# Altium PCB ThreeCharge.PcbDoc
Units mil, origin at the board's own origin, x right, y up, seen from the top; angles counter-clockwise.
Board outline 3947.04 x 3155.03 mil, 2 copper layers (Top Layer, Bottom Layer); 90 components, 64 nets, 258 pads, 56 vias.
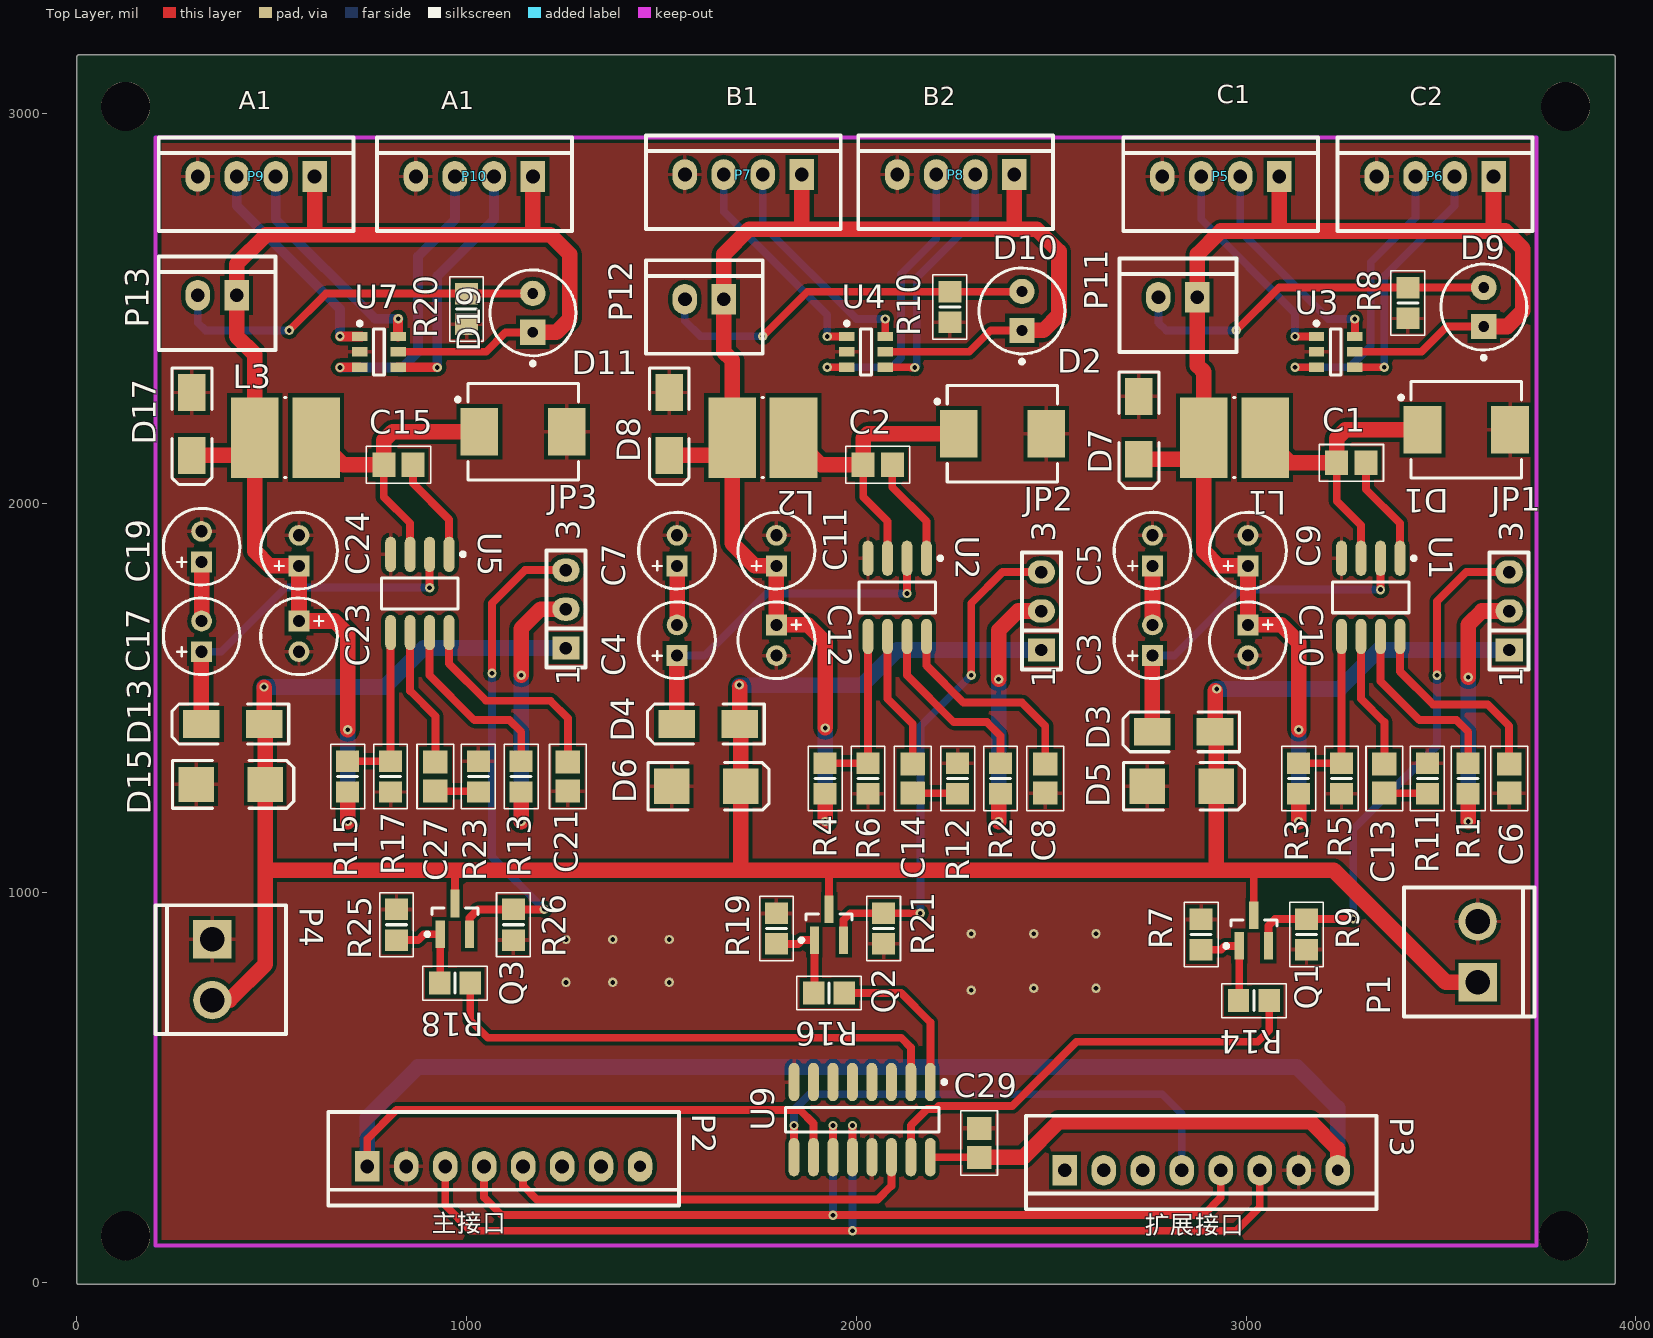
[diagram p0: Top Layer view]
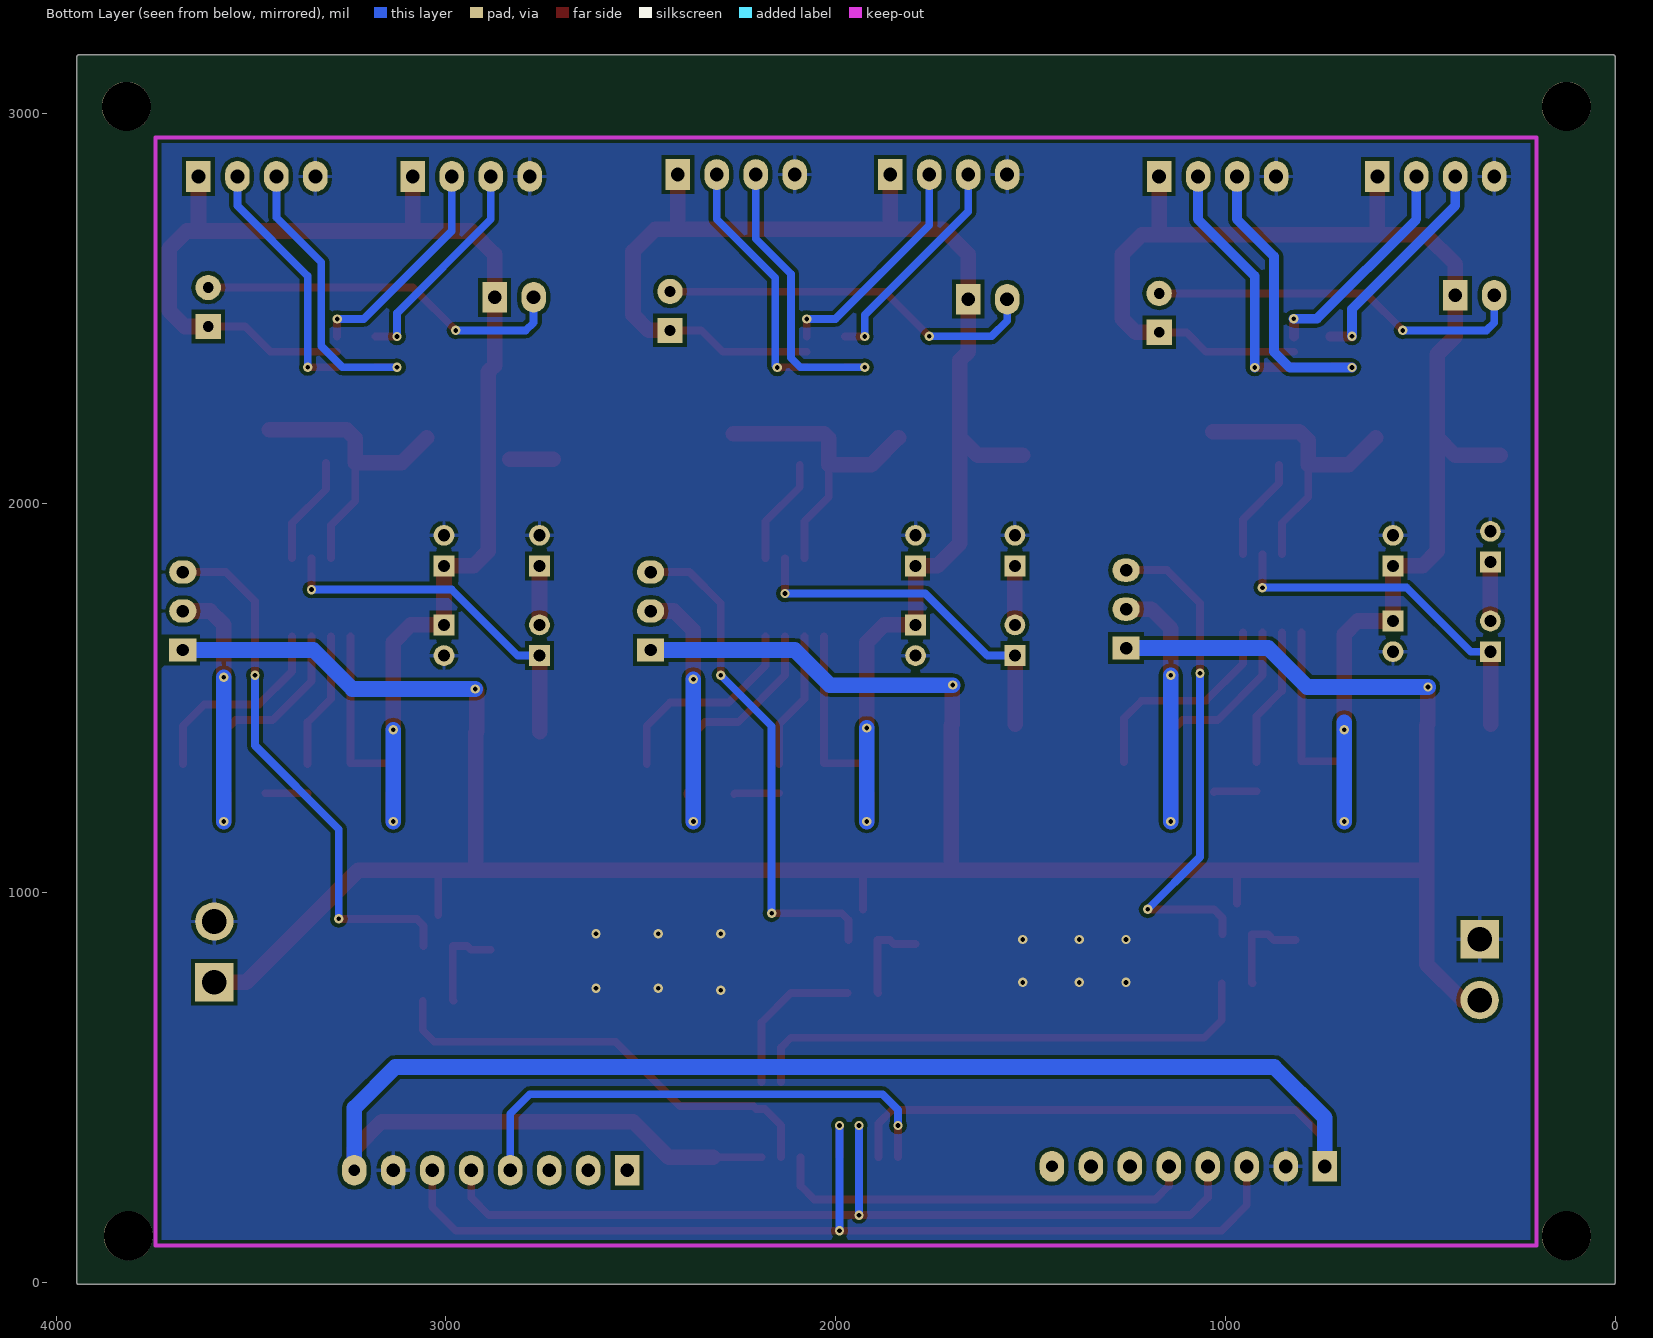
[diagram p1: Bottom Layer view, seen from below]

## Layer stack, top to bottom
Top Solder: solder mask 0.4, Solder Resist, Dk 3.5
Top Layer: signal copper 1.4
Dielectric 1: dielectric 12.6, FR-4, Dk 4.8
Bottom Layer: signal copper 1.4
Bottom Solder: solder mask 0.4, Solder Resist, Dk 3.5

## Board outline
0,0 0,3142.99 cw(c5.02,3142.99) 0.1,3143.99 0.1,3144 cw(c5.02,3145) 5.02,3150.01 3942.02,3150.01 cw(c3942.02,3145) 3947.04,3145 cw(c3942.02,3145) 3946.94,3143.99 3946.94,3144 cw(c3942.02,3142.99) 3947.04,3142.99 3947.04,0 cw(c3942.02,0) 3942.02,-5.02 5.02,-5.02 cw(c5.02,0)

## Design rules (kind name [scope] priority, off if disabled: settings)
Clearance [All] p1: gap=10
PolygonConnect [All] p1: connectstyle=Relief reliefconductorwidth=10 reliefentries=4 polygonreliefangle="90 Angle" airgapwidth=10
RoutingVias [All] p1: holewidth=28 width=50 viastyle="Through Hole" minholewidth=28 minwidth=50 maxholewidth=28 maxwidth=50
SolderMaskExpansion [All] p1: expansion=4
Width [All] p1: maxlimit=50 minlimit=10 preferedwidth=10
29 further rules are at their usual default settings.

## Components (designator, comment, footprint, x,y, rotation, side; value= is the part's Value field where it differs from the comment)
C1 "0.01uF" CAPC2012M 3270.02,2102.99 r0 top
C2 "0.01uF" CAPC2012M 2055.02,2097.99 r0 top
C3 "47uF" CAPPR2-5x11.5 2760.02,1647.99 r90 top
C4 "47uF" CAPPR2-5x11.5 1540.02,1647.99 r90 top
C5 "47uF" CAPPR2-5x11.5 2760.02,1877.99 r90 top
C6 "0.1uF" CAPC2012M 3675.02,1292.99 r90 top
C7 "47uF" CAPPR2-5x11.5 1540.02,1877.99 r90 top
C8 "0.1uF" CAPC2012M 2485.02,1292.99 r90 top
C9 "47uF" CAPPR2-5x11.5 3005.02,1877.99 r90 top
C10 "47uF" CAPPR2-5x11.5 3005.02,1647.99 r270 top
C11 "47uF" CAPPR2-5x11.5 1795.02,1877.99 r90 top
C12 "47uF" CAPPR2-5x11.5 1795.02,1647.99 r270 top
C13 "3.9NF" CAPC2012M 3355.02,1292.99 r90 top
C14 "3.9NF" CAPC2012M 2145.02,1292.99 r90 top
C15 "0.01uF" CAPC2012M 825.02,2097.99 r0 top
C17 "47uF" CAPPR2-5x11.5 320.02,1657.99 r90 top
C19 "47uF" CAPPR2-5x11.5 320.02,1887.99 r90 top
C21 "0.1uF" CAPC2012M 1260.02,1297.99 r90 top
C23 "47uF" CAPPR2-5x11.5 570.02,1657.99 r270 top
C24 "47uF" CAPPR2-5x11.5 570.02,1877.99 r90 top
C27 "3.9NF" CAPC2012M 920.02,1297.99 r90 top
C29 "0.1uF" CAPC2012M 2315.02,357.99 r270 top
D1 "SK54" SMC 3565.02,2187.99 r0 top
D2 "SK54" SMC 2375.02,2177.99 r0 top
D3 "1N4007" DSO-C2/X1.8 2840.02,1412.99 r180 top
D4 "1N4007" DSO-C2/X1.8 1620.02,1432.99 r180 top
D5 "TVS" SMB 2835.02,1272.99 r0 top
D6 "TVS" SMB 1615.02,1272.99 r0 top
D7 "TVS" DSO-C2/X1.8 2725.02,2192.99 r270 top
D8 "TVS" DSO-C2/X1.8 1520.02,2202.99 r270 top
D9 "LED" LED 3610.02,2502.99 r90 top
D10 "LED" LED 2425.02,2492.99 r90 top
D11 "SK54" SMC 1145.02,2182.99 r0 top
D13 "1N4007" DSO-C2/X1.8 400.02,1432.99 r180 top
D15 "TVS" SMB 395.02,1277.99 r0 top
D17 "TVS" DSO-C2/X1.8 295.02,2202.99 r270 top
D19 "LED" LED 1170.02,2487.99 r90 top
JP1 "Jumper3" JP3 3675.02,1722.99 r90 top
JP2 "Jumper3" JP3 2475.02,1722.99 r90 top
JP3 "Jumper3" JP3 1255.02,1727.99 r90 top
L1 "Inductor" 15mh电感 2970.02,2167.99 r180 top
L2 "Inductor" 15mh电感 1760.02,2167.99 r180 top
L3 "Inductor" 15mh电感 535.02,2167.99 r180 top
P1 "Header 2" VH396-2 3740.02,682.99 r90 top
P2 "Header 8" XH254-8 745.02,297.99 r0 top
P3 "Header 8" XH254-8 2535.02,287.99 r0 top
P4 "Header 2" VH396-2 201.87,967.99 r270 top
P5 "Header 4" XH254-4 3085.02,2837.99 r180 top
P6 "Header 4" XH254-4 3635.02,2837.99 r180 top
P7 "Header 4" XH254-4 1860.02,2842.99 r180 top
P8 "Header 4" XH254-4 2405.02,2842.99 r180 top
P9 "Header 4" XH254-4 610.02,2837.99 r180 top
P10 "Header 4" XH254-4 1170.02,2837.99 r180 top
P11 "Header 2" XH254-2 2875.02,2527.99 r180 top
P12 "Header 2" XH254-2 1660.02,2522.99 r180 top
P13 "Header 2" XH254-2 410.02,2532.99 r180 top
Q1 "NPN" SOT23-3M 3020.02,902.99 r90 top
Q2 "NPN" SOT23-3M 1930.02,917.99 r90 top
Q3 "NPN" SOT23-3M 970.02,932.99 r90 top
R1 "100K" RESC2012M 3570.02,1292.99 r270 top
R2 "100K" RESC2012M 2370.02,1292.99 r270 top
R3 "47K" RESC2012M 3135.02,1292.99 r270 top
R4 "47K" RESC2012M 1920.02,1292.99 r270 top
R5 "10K" RESC2012M 3245.02,1292.99 r90 top
R6 "10K" RESC2012M 2030.02,1292.99 r90 top
R7 "10K" RESC2012M 2885.02,892.99 r270 top
R8 "1K" RESC2012M 3415.02,2512.99 r90 top
R9 "1K" RESC2012M 3155.02,892.99 r90 top
R10 "1K" RESC2012M 2240.02,2502.99 r90 top
R11 "6.8K" RESC2012M 3465.02,1292.99 r270 top
R12 "6.8K" RESC2012M 2260.02,1292.99 r270 top
R13 "100K" RESC2012M 1140.02,1297.99 r270 top
R14 "470" RESC2012M 3020.02,722.99 r180 top
R15 "47K" RESC2012M 695.02,1297.99 r270 top
R16 "470" RESC2012M 1930.02,742.99 r180 top
R17 "10K" RESC2012M 805.02,1297.99 r90 top
R18 "470" RESC2012M 970.02,767.99 r180 top
R19 "10K" RESC2012M 1795.02,907.99 r270 top
R20 "1K" RESC2012M 1000.02,2497.99 r90 top
R21 "1K" RESC2012M 2070.02,907.99 r90 top
R23 "6.8K" RESC2012M 1030.02,1297.99 r270 top
R25 "10K" RESC2012M 820.02,917.99 r270 top
R26 "1K" RESC2012M 1120.02,917.99 r90 top
U1 "CX8505" SO8_M 3320.02,1757.99 r270 top
U2 "CX8505" SO8_M 2105.02,1757.99 r270 top
U3 "CX2901" SOT23_6L 3230.02,2387.99 r0 top
U4 "CX2901" SOT23_6L 2025.02,2387.99 r0 top
U5 "CX8505" SO8_M 880.02,1767.99 r270 top
U7 "CX2901" SOT23_6L 775.02,2387.99 r0 top
U9 "74hc595" SO16_M 2015.02,417.99 r270 top

## Footprints (in the part's own frame and the unit in brackets; to place one, negate y for a bottom-side part, rotate by r counter-clockwise, add the part's x,y. Pads: shape width x height; smd on the part's side, far side on the other; paste and mask are expansions set on the pad)
15mh电感 [mm] "Precision Wire Wound Inductor, 2-Leads, Body 5.70x5.15mm, IPC Medium Density"
  rect 3.1x5.25 smd: 1(-2,0) 2(2,0)
  silkscreen extent -0.05,-2.6 0.05,2.6, body extent -2.95,-2.6 2.95,2.6, height 4.5
CAPC2012M [mm] "Chip Capacitor, Body 2.0x1.3mm, IPC Low Density"
  rect 1.5x1.6 smd: 1(-0.95,0) 2(0.95,0)
  silkscreen extent -2.1,-1.2 2.1,1.2, body extent -1.1,-0.72 1.1,0.72, height 1.1
CAPPR2-5x11.5 [mm] "Capacitor, Electrolytic, Radial; Body 5 x 11.5 mm (Dia.xH typ); Pin Spacing 2 mm (typ)"
  rect 1.35x1.35 hole 0.8: 1(-1,0)
  round 1.35 hole 0.8: 2(1,0)
  silkscreen extent -2.5,-2.5 2.5,2.5
DSO-C2/X1.8 [mm] "DO-214-AC/SMA; 2 C-Bend Leads; Body 5 x 2.7 mm, inc. leads (LxW)"
  rect 2.4x1.8 smd: 1(-2.05,0) 2(2.05,0)
  silkscreen extent -3.65,-1.3 3.95,1.3
JP3 [mil]
  rect 60x70 hole 32: 1(-100,0)
  oval 60x70 hole 32: 2(0,0) 3(100,0)
  silkscreen extent -150,-50 150,50
LED [mm]
  rect 1.65x1.65 hole 0.7: 1(-1.27,0)
  round 1.65 hole 0.7: 2(1.27,0)
  silkscreen extent -3.42,-2.8 2.8,2.8
RESC2012M [mm] "Chip Resistor, Body 2.0x1.3mm, IPC Low Density"
  rect 1.4x1.5 smd: 1(-1,0) 2(1,0)
  silkscreen extent -2.1,-1.1 2.1,1.1, body extent -1.07,-0.7 1.07,0.7, height 0.65
SMB [mm] "DO-214-AA/SMB; 2 C-Bend Leads; Body 5.3 x 3.6 mm, inc. leads (LxW)"
  rect 2.3x2.3 smd: 1(-2.25,0) 2(2.25,0)
  silkscreen extent -3.8,-1.55 4.1,1.55
SMC [mm] "Molded Diode, 2-Leads, Body 6.85x5.90mm, IPC Medium Density"
  rect 2.45x3.1 smd: 1(-2.85,0) 2(2.85,0)
  silkscreen extent -4.37,-3.15 3.6,3.15
SO8_M [mm] "SOIC, 8-Leads, Body 4.9x3.9mm, Pitch 1.27mm, IPC Low Density"
  oval 2.3x0.7 smd: 1(-2.55,1.905) 2(-2.55,0.635) 3(-2.55,-0.635) 4(-2.55,-1.905) 5(2.55,-1.905) 6(2.55,-0.635) 7(2.55,0.635) 8(2.55,1.905)
  silkscreen extent -2.67,-2.5 1,2.93, body extent -2,-2.5 2,2.5, height 1.75
SO16_M [mm] "SOIC, 16-Leads, Body 9.9x3.9mm, Pitch 1.27mm, IPC Low Density"
  oval 2.5x0.7 smd: 1(-2.45,4.445) 2(-2.45,3.175) 3(-2.45,1.905) 4(-2.45,0.635) 5(-2.45,-0.635) 6(-2.45,-1.905) 7(-2.45,-3.175) 8(-2.45,-4.445) 9(2.45,-4.445) 10(2.45,-3.175) 11(2.45,-1.905) 12(2.45,-0.635) 13(2.45,0.635) 14(2.45,1.905) 15(2.45,3.175) 16(2.45,4.445)
  silkscreen extent -2.57,-5 0.8,5.47, body extent -2,-5 2,5, height 1.75
SOT23-3M [mm] "SOT23, 3-Leads, Body 2.9x1.3mm, Pitch 0.95mm, Lead Span 2.5mm, IPC Low Density"
  rect 1.8x0.6 smd: 1(-1,0.95) 2(-1,-0.95) 3(1,0)
  silkscreen extent -1.12,-1.5 0.7,1.92, body extent -0.7,-1.5 0.7,1.5, height 1.1
SOT23_6L [mm] "手机充电识别芯片"
  rect 1x0.6 smd: 1(-1.25,1) 2(-1.25,0) 3(-1.25,-1) 4(1.25,-1) 5(1.25,0) 6(1.25,1)
  silkscreen extent -1.37,-1.5 0.35,1.97, body extent -0.87,-1.51 0.87,1.51, height 1.45
VH396-2 [mm]
  rect 2.5x2.5 hole 1.6: 1(2.22,3.7)
  round 2.5 hole 1.6: 2(6.18,3.7)
  silkscreen extent 0,0 8.4,8.5
XH254-2 [mm]
  rect 1.6x2 hole 0.9: 1(0,0)
  oval 1.6x2 hole 0.9: 2(2.54,0)
  silkscreen extent -2.54,-2.54 5.08,3.56
XH254-4 [mm]
  rect 1.6x2 hole 0.9: 1(0,0)
  oval 1.6x2 hole 0.9: 2(2.54,0) 3(5.08,0) 4(7.62,0)
  silkscreen extent -2.54,-2.54 10.16,3.56
XH254-8 [mm]
  rect 1.6x2 hole 0.9: 1(0,0)
  oval 1.6x2 hole 0.9: 2(2.54,0) 3(5.08,0) 4(7.62,0) 5(10.16,0) 6(12.7,0) 7(15.24,0)
  oval 1.6x2 hole 0.76: 8(17.78,0)
  silkscreen extent -2.54,-2.54 20.32,3.56

## Part data
C1 C2 C6 C8 C13 C14 C15 C21 C27 C29: library part Cap, "Capacitor"
C3 C4 C5 C7 C9 C10 C11 C12 C17 C19 C23 C24: library part "Cap Pol2", "Polarized Capacitor (22uf-47uf)"
D1 D2 D3 D4 D11 D13: library part Diode, "Default Diode"
D5 D6 D7 D8 D15 D17: "TVS瞬态抑制二极管"
D9 D10 D19: "Typical INFRARED GaAs LED"
P1 P4 P11 P12 P13: "Header, 2-Pin"
P2 P3: "Header, 8-Pin"
P5 P6 P7 P8 P9 P10: "Header, 4-Pin"
Q1 Q2 Q3: "NPN Bipolar Transistor"
R1 R2 R3 R4 R5 R6 R7 R8 R9 R10 R11 R12 R13 R14 R15 R16 R17 R18 R19 R20 R21 R23 R25 R26: library part Res, "Resistor"

## Free pads (board coordinates)
  round 125.98 hole 125.98: 4(125.02,3017.99) 5(3820.02,3017.99) 6(3815.02,120) 7(125.01,120)

## Via types
v1: diameter 24, hole 12, Top Layer to Bottom Layer, 56 vias

## Nets (pads, with @x,y where several pads share a name; then routed paths per layer and width w, separated by ;. In a path a pad name is that pad's centre, name@x,y a point inside that pad or via, vN(x,y) a via of type N, cw(c..) or ccw(c..) an arc to the next point about the centre after c; other vN are vias at no path point)
+12V: D3.1 D4.1 D5.2 D6.2 D13.1 D15.2 JP1.1 JP2.1 JP3.1 P1.1 P4.2 Q1.3 Q2.3 Q3.3 | length 7769.7
  Top Layer w20: Q3.3 970.02,1057.99 ; Q2.3 1930.02,1057.99 ; Q1.3 3020.02,1057.99
  Top Layer w40: P4.2 391.71,724.68 483.6,816.57 483.6,1057.99 ; v1@480.72,1527.28 D13.1 483.6,1430.12 D15.2 483.6,1057.99 ; v1@1700.72,1528.7 D4.1 1703.6,1430.12 D6.2 1703.6,1059.41 1705.02,1057.99 ; D3.1 v1@2920.72,1518.7 ; D3.1@2923.6,1410.12 D5.2 2923.6,1061.57 2920.02,1057.99 ; P1.1 3512.61,770.39 3225.02,1057.99 3020.02,1057.99 2920.02,1057.99 ; 483.6,1057.99 970.02,1057.99 1705.02,1057.99 ; 1705.02,1057.99 1930.02,1057.99 2920.02,1057.99
  Bottom Layer w40: v1(480.02,1527.99) 790.02,1527.99 890.02,1627.99 JP3.1 ; v1(1700.02,1532.99) 2015.02,1532.99 2105.02,1622.99 JP2.1 ; v1(2925.02,1522.99) 3240.02,1522.99 3340.02,1622.99 JP1.1
CLK: P2.3 P3.6 U9.12 | length 2688.2
  Top Layer w20: P2.3 945.02,197.99 1010.02,132.99 2975.02,132.99 3035.02,192.99 P3.6 ; U9.12 v1(1990.02,402.99)
  Bottom Layer w20: v1(1990.02,132.99) v1(1990.02,402.99)
CTRL1: JP1.3 Q1.2 R9.2 | length 1396.8
  Top Layer w20: Q1.2 3057.42,915.39 3074.39,932.36 R9.2 3274.39,932.36 v1(3275.02,932.99) ; v1(3490.02,1557.99) 3490.02,1747.99 3565.02,1822.99 JP1.3
  Bottom Layer w20: v1(3275.02,932.99) 3275.02,1162.99 3490.02,1377.99 v1(3490.02,1557.99)
CTRL2: JP2.3 Q2.2 R21.2 | length 1318.6
  Top Layer w20: Q2.2 1967.42,930.39 1984.39,947.36 R21.2 v1(2164.39,947.36) ; v1(2295.02,1557.99) 2295.02,1742.99 2375.02,1822.99 JP2.3
  Bottom Layer w20: v1(2164.39,947.36) 2164.39,1427.36 v1(2295.02,1557.99)
CTRL3: JP3.3 Q3.2 R26.2 | length 1309.3
  Top Layer w20: Q3.2 1007.42,935.39 1029.39,957.36 R26.2 v1(1199.39,957.36) ; v1(1065.02,1562.99) 1065.02,1742.99 1150.02,1827.99 JP3.3
  Bottom Layer w20: v1(1065.02,1562.99) 1065.02,1091.73 v1(1199.39,957.36)
DATA: P2.5 U9.14 | length 1097.5
  Top Layer w20: P2.5 1145.02,247.99 1180.02,212.99 2055.02,212.99 2090.02,247.99 U9.14
DATA1: P3.4 U9.9 | length 1298.7
  Top Layer w20: U9.9 v1(1840.02,402.99)
  Bottom Layer w20: v1(1840.02,402.99) 1840.02,442.99 1880.02,482.99 2785.02,482.99 2835.02,432.99 P3.4
EN1: JP1.2 R1.2 | length 695.1
  Top Layer w40: v1(3570.02,1182.99) R1.2 ; v1(3570.02,1552.99) 3570.02,1687.99 3605.02,1722.99 JP1.2
  Bottom Layer w40: v1(3570.02,1182.99) v1(3570.02,1552.99)
EN2: JP2.2 R2.2 | length 693.4
  Top Layer w40: v1(2365.02,1182.99) 2365.02,1248.62 R2.2 ; v1(2365.02,1547.99) 2365.02,1672.99 2415.02,1722.99 JP2.2
  Bottom Layer w40: v1(2365.02,1182.99) v1(2365.02,1547.99)
EN3: JP3.2 R13.2 | length 706.3
  Top Layer w40: v1(1140.02,1182.99) R13.2 ; v1(1140.02,1557.99) 1140.02,1677.99 1190.02,1727.99 JP3.2
  Bottom Layer w40: v1(1140.02,1182.99) v1(1140.02,1557.99)
GND: C5.2 C6.1 C7.2 C8.1 C9.2 C10.2 C11.2 C12.2 C19.2 C21.1 C23.2 C24.2 C29.1 D1.2 D2.2 D5.1 D6.1 D7.1 D8.1 D11.2 D15.1 D17.1 P1.2 P2.2 P3.7 P4.1 P5.4 P6.4 P7.4 P8.4 P9.4 P10.4 R5.1 R6.1 R7.1 R8.1 R9.1 R10.1 R11.1 R12.1 R17.1 R19.1 R20.1 R21.1 R23.1 R25.1 R26.1 U1.4 U2.4 U3.2 U4.2 U5.4 U7.2 U9.8 U9.13
  other v1: 2295,750 2455,755 2615,755 1255,770 1375,770 1520,770 1255,880 1375,880 1520,880 2295,895 2455,895 2615,895
NetC1_1: C1.1 D1.1 L1.1 U1.3 | length 773.3
  Top Layer w20: C1.1 3232.61,2005.39 3295.02,1942.99 U1.3
  Top Layer w40: L1.1 3113.76,2102.99 C1.1 3232.61,2165.59 3255.02,2187.99 D1.1
NetC1_2: C1.2 U1.1 | length 280.9
  Top Layer w20: C1.2 3307.42,2035.59 3395.02,1947.99 U1.1
NetC2_1: C2.1 D2.1 L2.1 U2.3 | length 791.2
  Top Layer w20: C2.1 2017.61,2015.39 2080.02,1952.99 U2.3
  Top Layer w40: L2.1 1908.76,2097.99 C2.1 2017.61,2165.59 2030.02,2177.99 D2.1
NetC2_2: C2.2 U2.1 | length 275.9
  Top Layer w20: C2.2 2092.42,2040.59 2180.02,1952.99 U2.1
NetC3_1: C3.1 D3.2 U1.2 | length 930.5
  Top Layer w20: v1(3345.02,1777.99) U1.2
  Top Layer w40: D3.2 C3.1@2759.31,1607.91
  Bottom Layer w20: C3.1 2815.65,1608.62 2985.02,1777.99 v1(3345.02,1777.99)
NetC3_2: C3.2 C5.1 | length 151.3
  Top Layer w40: C3.2 C5.1
NetC4_1: C4.1 D4.2 U2.2 | length 922.3
  Top Layer w20: v1(2130.02,1767.99) U2.2
  Top Layer w40: D4.2 1539.31,1607.91 C4.1
  Bottom Layer w20: C4.1 1610.65,1608.62 1770.02,1767.99 v1(2130.02,1767.99)
NetC4_2: C4.2 C7.1 | length 151.3
  Top Layer w40: C4.2 C7.1
NetC6_2: C6.2 U1.8 | length 525.2
  Top Layer w20: U1.8 3395.02,1567.99 3480.02,1482.99 3620.02,1482.99 3675.02,1427.99 C6.2
NetC8_2: C8.2 U2.8 | length 541.4
  Top Layer w20: U2.8 2180.02,1582.99 2275.02,1487.99 2425.02,1487.99 2485.02,1427.99 C8.2
NetC13_1: C13.1 R11.2 | length 108
  Top Layer w20: C13.1 R11.2@3463.05,1255.59
NetC13_2: C13.2 U1.6 | length 352.1
  Top Layer w20: U1.6 3295.02,1497.99 3355.02,1437.99 C13.2
NetC14_1: C14.1 R12.2 | length 115.8
  Top Layer w20: C14.1 2258.05,1255.59 R12.2
NetC14_2: C14.2 U2.6 | length 354.1
  Top Layer w20: U2.6 2080.02,1497.99 2145.02,1432.99 C14.2
NetC15_1: C15.1 D11.1 L3.1 U5.3 | length 777.5
  Top Layer w20: C15.1 787.61,2015.39 855.02,1947.99 U5.3
  Top Layer w40: L3.1 683.76,2097.99 C15.1 787.61,2160.59 810.02,2182.99 D11.1
NetC15_2: C15.2 U5.1 | length 268
  Top Layer w20: C15.2 862.42,2050.59 955.02,1957.99 U5.1
NetC17_1: C17.1 D13.2 U5.2 | length 924.4
  Top Layer w20: v1(905.02,1782.99) U5.2
  Top Layer w40: D13.2 319.31,1617.91 C17.1
  Bottom Layer w20: C17.1 370.65,1618.62 535.02,1782.99 v1(905.02,1782.99)
NetC17_2: C17.2 C19.1 | length 151.3
  Top Layer w40: C17.2 C19.1
NetC21_2: C21.2 U5.8 | length 555.2
  Top Layer w20: U5.8 955.02,1587.99 1050.02,1492.99 1215.02,1492.99 1260.02,1447.99 C21.2
NetC27_1: C27.1 R23.2 | length 110.8
  Top Layer w20: C27.1 1028.05,1260.59 R23.2
NetC27_2: C27.2 U5.6 | length 359.1
  Top Layer w20: U5.6 855.02,1517.99 920.02,1452.99 C27.2
NetD9_2: D9.2 P11.2 R8.2 | length 953.8
  Top Layer w20: v1(2975.02,2442.99) 3085.02,2552.99 D9.2
  Bottom Layer w20: P11.2 2775.02,2462.99 2795.02,2442.99 v1(2975.02,2442.99)
NetD10_2: D10.2 P12.2 R10.2 | length 984.2
  Top Layer w20: v1(1760.02,2427.99) 1874.39,2542.36 R10.2 2424.39,2542.36 D10.2
  Bottom Layer w20: P12.2 1560.02,2467.99 1600.02,2427.99 v1(1760.02,2427.99)
NetD19_2: D19.2 P13.2 R20.2 | length 977.6
  Top Layer w20: v1(545.02,2442.99) 639.39,2537.36 R20.2 1169.39,2537.36 D19.2
  Bottom Layer w20: P13.2 310.02,2462.99 330.02,2442.99 v1(545.02,2442.99)
NetR1_1: R1.1 U1.7 | length 474.1
  Top Layer w20: U1.7 3345.02,1542.99 3445.02,1442.99 3540.02,1442.99 3570.02,1412.99 R1.1
NetR2_1: R2.1 U2.7 | length 474.4
  Top Layer w20: U2.7 2130.02,1557.99 2250.02,1437.99 2335.02,1437.99 2370.02,1402.99 R2.1
NetR3_1: R3.1 R5.2 U1.5 | length 435.2
  Top Layer w20: R3.1 R5.2 U1.5
NetR4_1: R4.1 R6.2 U2.5 | length 435.2
  Top Layer w20: R4.1 R6.2 U2.5
NetR13_1: R13.1 U5.7 | length 480.3
  Top Layer w20: U5.7 905.02,1557.99 1020.02,1442.99 1110.02,1442.99 1140.02,1412.99 R13.1
NetR14_1: R14.1 U9.15 | length 1177.7
  Top Layer w20: U9.15 2140.02,402.99 2182.26,445.24 2204.01,445.24 2211.76,452.99 2400.02,452.99 2565.02,617.99 3030.02,617.99 3059.39,647.36 R14.1
NetR15_1: R15.1 R17.2 U5.5 | length 440.2
  Top Layer w20: R15.1 R17.2 U5.5
NetR16_1: R16.1 U9.1 | length 405.2
  Top Layer w20: R16.1 2115.02,742.99 2190.02,667.99 U9.1
NetR18_1: R18.1 U9.2 | length 1343.2
  Top Layer w20: R18.1 1009.39,672.99 1054.39,627.99 2115.02,627.99 2140.02,602.99 U9.2
Q0: Q1.1 R7.2 R14.2 | length 243.2
  Top Layer w20: R7.2 2935.65,853.62 2945.65,863.62 Q1.1 2982.61,724.96 R14.2
Q1: Q2.1 R16.2 R19.2 | length 238.2
  Top Layer w20: R19.2 1850.65,868.62 1860.65,878.62 Q2.1 1892.61,744.96 R16.2
Q2: Q3.1 R18.2 R25.2 | length 245.3
  Top Layer w20: R25.2 875.65,878.62 890.65,893.62 Q3.1 932.61,769.96 R18.2
SRCLK: P2.4 P3.5 U9.11 | length 2388.7
  Top Layer w20: P2.4 1045.02,217.99 1090.02,172.99 2890.02,172.99 2935.02,217.99 P3.5 ; U9.11 v1(1940.02,402.99)
  Bottom Layer w20: v1(1940.02,172.99) v1(1940.02,402.99)
USB1_1D+: P5.3 U3.1 | length 565.5
  Top Layer w20: v1(3125.65,2427.36) U3.1
  Bottom Layer w20: P5.3 2885.02,2727.99 3125.65,2487.36 v1(3125.65,2427.36)
USB1_1D-: P5.2 U3.6 | length 572.6
  Top Layer w20: U3.6 v1(3279.23,2472.2)
  Bottom Layer w20: P5.2 2985.02,2697.99 3210.8,2472.2 v1(3279.23,2472.2)
USB1_2D+: P6.3 U3.3 | length 754.7
  Top Layer w20: v1(3125.65,2348.62) U3.3
  Bottom Layer w20: v1(3125.65,2348.62) 3265.65,2348.62 3320.02,2402.99 3320.02,2617.99 3435.02,2732.99 P6.3
USB1_2D-: P6.2 U3.4 | length 639.3
  Top Layer w20: U3.4 v1(3354.39,2348.62)
  Bottom Layer w20: v1(3354.39,2348.62) 3354.39,2582.36 3535.02,2762.99 P6.2
USB2_1D+: P7.3 U4.1 | length 575.8
  Top Layer w20: v1(1925.65,2427.36) U4.1
  Bottom Layer w20: P7.3 1660.02,2747.99 1925.65,2482.36 v1(1925.65,2427.36)
USB2_1D-: P7.2 U4.6 | length 588.8
  Top Layer w20: U4.6 v1(2074.23,2472.2)
  Bottom Layer w20: P7.2 1760.02,2712.99 2000.8,2472.2 v1(2074.23,2472.2)
USB2_2D+: P8.3 U4.3 | length 758.2
  Top Layer w20: v1(1925.02,2348.62) U4.3
  Bottom Layer w20: v1(1925.02,2348.62) 2090.65,2348.62 2115.02,2372.99 2115.02,2587.99 2205.02,2677.99 P8.3
USB2_2D-: P8.2 U4.4 | length 635.3
  Top Layer w20: U4.4 2139.39,2348.62 2140.02,2347.99 v1(2150.02,2347.99)
  Bottom Layer w20: v1(2150.02,2347.99) 2155.02,2352.99 2155.02,2577.99 2305.02,2727.99 P8.2
USB3_1D+: P9.3 U7.1 | length 575.6
  Top Layer w25: v1@675.02,2427.36 U7.1 U7.1@730.8,2427.36
  Bottom Layer w25: P9.3 410.02,2762.99 675.02,2497.99 v1(675.02,2427.99)
USB3_1D-: P9.2 U7.6 | length 576.3
  Top Layer w25: U7.6 v1@824.23,2472.99
  Bottom Layer w25: P9.2 510.02,2727.99 765.02,2472.99 v1(825.02,2472.99)
USB3_2D+: P10.3 U7.3 | length 757
  Top Layer w25: v1(675.02,2347.99) 675.65,2348.62 U7.3
  Bottom Layer w25: v1(675.02,2347.99) 835.02,2347.99 875.02,2387.99 875.02,2632.99 970.02,2727.99 P10.3
USB3_2D-: P10.2 U7.4 | length 650.8
  Top Layer w25: U7.4 v1@925.02,2348.62
  Bottom Layer w25: v1(925.02,2347.99) 925.02,2582.99 1070.02,2727.99 P10.2
VCC: C29.2 P2.1 P3.8 U9.10 U9.16 | length 5386.2
  Top Layer w20: P2.1 745.02,367.99 820.02,442.99 1855.02,442.99 1890.02,407.99 U9.10 ; U9.16 C29.2@2314.07,321.53
  Top Layer w40: C29.2@2314.07,321.53 2428.56,321.53 2520.02,412.99 3165.02,412.99 3235.02,342.99 P3.8
  Bottom Layer w40: P2.1 745.02,422.99 875.02,552.99 3130.02,552.99 3235.02,447.99 P3.8
VOUT1_5V: C9.1 C10.1 D7.2 D9.1 L1.2 P5.1 P6.1 P11.1 R3.2 U3.5 | length 3626.1
  Top Layer w20: U3.5 3450.02,2387.99 3515.02,2452.99 D9.1
  Top Layer w40: D7.2 L1.2@2835.57,2112.28 ; P5.1 3085.02,2697.99 ; v1(3135.02,1182.99) R3.2 ; v1(3135.02,1417.99) 3135.02,1642.99 3090.65,1687.36 C10.1 C9.1 2929.39,1838.62 2891.28,1876.73 L1.2 2891.28,2336.73 2875.02,2352.99 P11.1 2875.02,2637.99 2935.02,2697.99 3085.02,2697.99 ; D9.1 3670.02,2452.99 3710.02,2492.99 3710.02,2652.99 3665.02,2697.99 3085.02,2697.99 ; 3635.02,2702.99 P6.1
  Bottom Layer w40: v1(3135.02,1182.99) v1(3135.02,1417.99)
VOUT2_5V: C11.1 C12.1 D8.2 D10.1 L2.2 P7.1 P8.1 P12.1 R4.2 U4.5 | length 3731.7
  Top Layer w20: U4.5 2290.02,2387.99 2345.02,2442.99 D10.1
  Top Layer w40: D8.2 1635.57,2122.28 L2.2 ; P7.1 1860.02,2702.99 ; v1(1920.02,1182.99) R4.2 ; v1(1920.02,1422.99) 1920.02,1642.99 1875.65,1687.36 C12.1 C11.1 1739.39,1838.62 1681.28,1896.73 L2.2 ; P8.1 2405.02,2702.99 ; D10.1 2480.02,2442.99 2520.02,2482.99 2520.02,2645.49 2462.52,2702.99 2405.02,2702.99 ; L2.2 1681.28,2366.73 1660.02,2387.99 P12.1 1660.02,2637.99 1725.02,2702.99 1860.02,2702.99 ; 1860.02,2702.99 2405.02,2702.99
  Bottom Layer w40: v1(1920.02,1182.99) v1(1920.02,1422.99)
VOUT3_5V: C23.1 C24.1 D17.2 D19.1 L3.2 P9.1 P10.1 P13.1 R15.2 U7.5 | length 3769
  Top Layer w20: U7.5 1050.02,2387.99 1100.02,2437.99 D19.1
  Top Layer w40: D17.2 410.57,2122.28 L3.2 ; P9.1 610.02,2687.99 ; v1(695.02,1182.99) R15.2 ; v1(695.02,1417.99) 695.02,1662.99 660.65,1697.36 C23.1 C24.1 494.39,1838.62 456.28,1876.73 L3.2 ; D19.1 1230.02,2437.99 1265.02,2472.99 1265.02,2637.99 1215.02,2687.99 1170.02,2687.99 ; P10.1 1170.02,2687.99 ; L3.2 456.28,2381.73 410.02,2427.99 P13.1 410.02,2612.99 485.02,2687.99 610.02,2687.99 ; 610.02,2687.99 1170.02,2687.99
  Bottom Layer w40: v1(695.02,1182.99) 695.02,1437.99
pads on no net: P2.6 P2.7 P2.8 P3.1 P3.2 P3.3 U9.3 U9.4 U9.5 U9.6 U9.7

## Polygon pours and split planes (outlines as drawn)
GND on Top Layer "Top Layer-No Net" (solid, remove dead copper, pour order 2): 5.02,3150.01 3943.56,3150.01 3943.94,3149.63 3947.45,3146.12 3947.45,0 0,0
GND on Bottom Layer "Top Layer-No Net" (solid, remove dead copper, pour order 4): 0,0 3947.45,0 3947.45,3146.12 3943.94,3149.63 3943.56,3150.01 5.02,3150.01

## Keep-outs
Keep-Out Layer:
  lines w10: 201.87,95 3745.17,95 3745.17,2937.99 201.87,2937.99 201.87,95

## Silkscreen, mask and mechanical layers (free items; w line width, h text height)
Top Overlay:
  text "C1" at 2925,3010 h80
  text "B1" at 1665,3005 h80
  text "B2" at 2170,3005 h80
  text "C2" at 3420,3005 h80
  text "A1" at 415,2995 h80
  text "A1" at 935,2995 h80
  text "1.四周四个安装孔不镀锡" at 4715,2932.7 h200
  text "2.机械层为板边界" at 4706,2687.7 h200
  text "3.过孔盖油" at 4725,2422.7 h200
  text "主接口" at 910,115 h80
  text "扩展接口" at 2740,110 h80
Mechanical 1:
  lines w10: 5.02,3142.99 5.02,0 3942.02,0 3942.02,3142.99 ; 5.02,3145 3942.02,3145

## Text inside footprints (layer, text, board x,y; h text height)
JP1: Top Overlay "3" at 3710.45,1900.16 h60 r90; Top Overlay "1" at 3710.45,1526.14 h60 r90
JP2: Top Overlay "3" at 2510.45,1900.16 h60 r90; Top Overlay "1" at 2510.45,1526.14 h60 r90
JP3: Top Overlay "3" at 1290.45,1905.16 h60 r90; Top Overlay "1" at 1290.45,1531.14 h60 r90